# Altium PCB SmartHaloV1.PcbDoc (part 3 of 4) (continued)
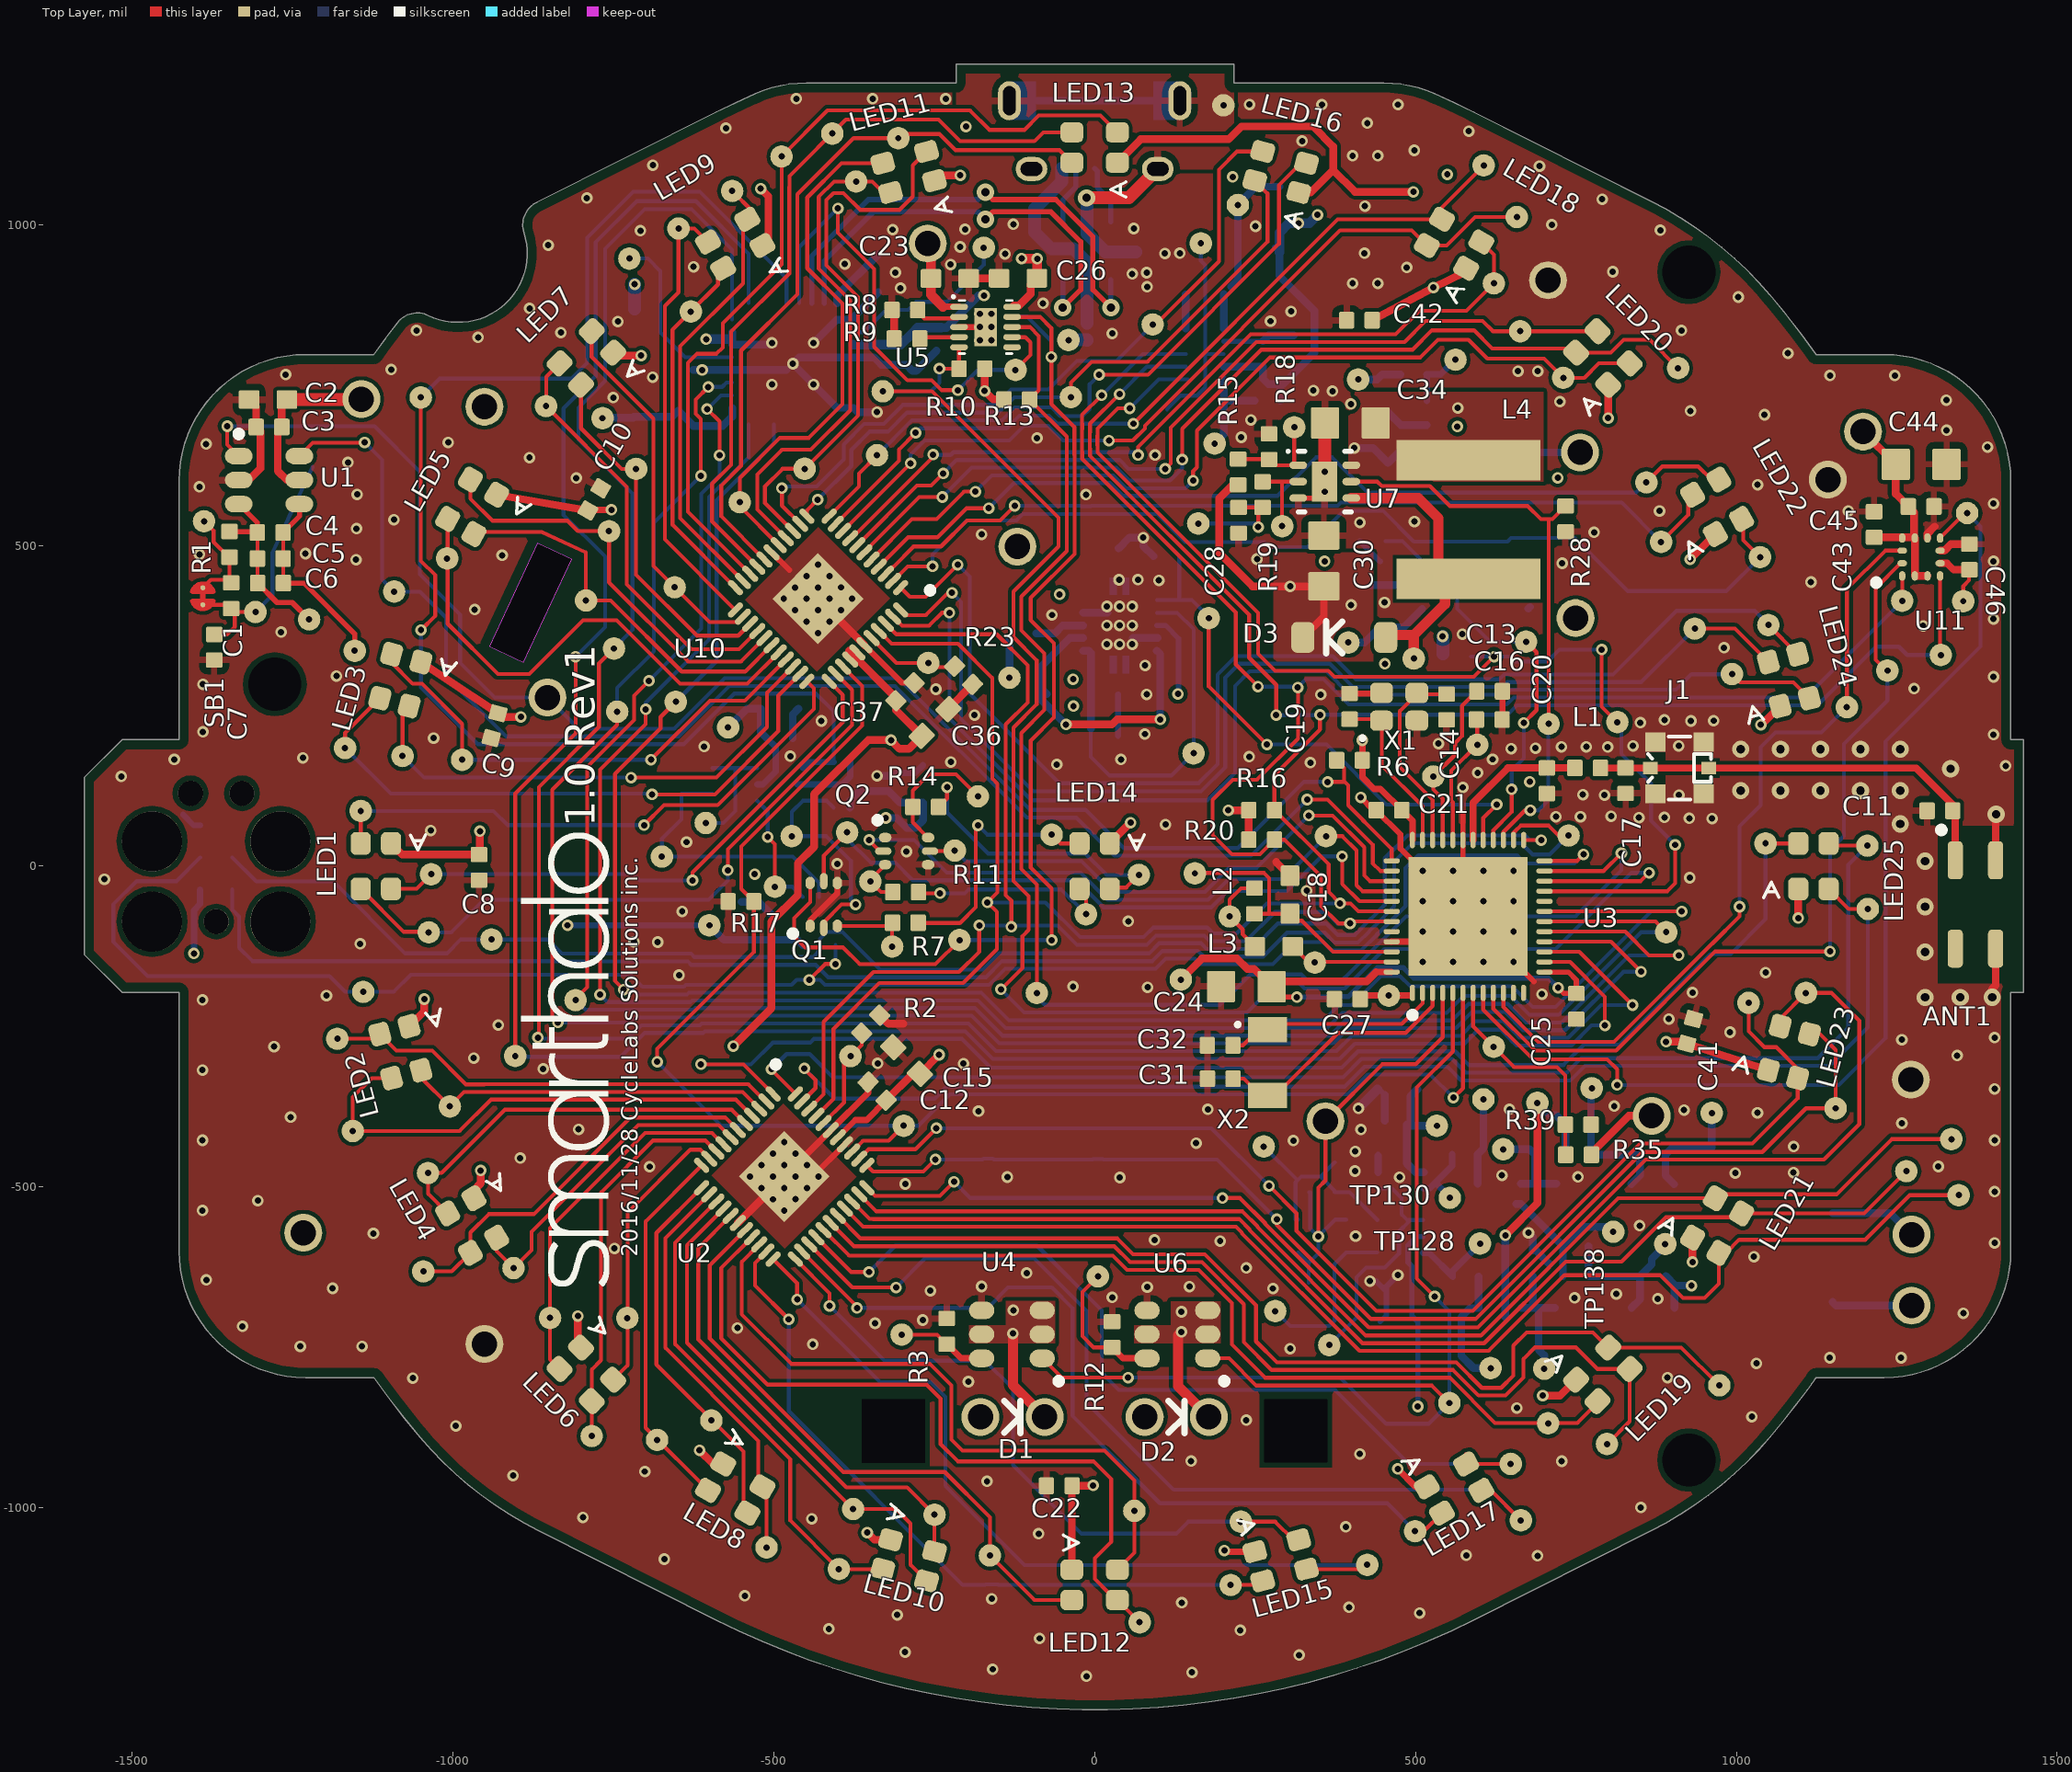
[diagram p0: Top Layer view]
## Nets (pads, with @x,y where several pads share a name; then routed paths per layer and width w, separated by ;. In a path a pad name is that pad's centre, name@x,y a point inside that pad or via, vN(x,y) a via of type N, cw(c..) or ccw(c..) an arc to the next point about the centre after c; other vN are vias at no path point) (continued)
  Bottom Layer w6: TP149.1@-330.1,740.1 -255.1,740.1 -241.9,753.3 v1(-241.9,775.3) ; v1(-145.9,-192.1) -109.8,-228.2 237.5,-228.2 284.8,-180.9 317.36,-180.9 326.96,-190.5 389.81,-190.5 401.43,-178.88 401.66,-178.88 451.44,-129.1 718.1,-129.1 836.8,-10.4 v1(863.9,-10.4)
PRETERM: R9.1 U5.4 | length 62
  Top Layer w6: R9.1@-272.4,822.1 -270.05,824.45 U5.4@-211.34,824.45
QTOUCH: R6.1 TP100.1 U1.1 U3.37 | length 2506.3
  Top Layer w6: v1(-1351.7,685.7) -1351.7,657.08 U1.1@-1333.78,639.15 ; v1(363.2,131.3) 388.9,131.3 ; R6.1@377.2,165.1 388.9,153.4 388.9,131.3 ; U3.37@462.81,8.21 462.81,26.99 429.73,60.07 429.67,60.07 424.55,65.2 417.8,71.95 417.8,72 395,94.8 395,126 389.3,131.7 388.9,131.3
  Bottom Layer w6: v1(-1351.7,685.7) -1122.2,685.7 -1051.5,615 -1051.5,454.7 -988.8,392 -988.8,316.9 -934.7,262.8 TP100.1@-852.7,262.8 -804.1,214.2 -655.1,214.2 -576.3,293 -306.14,293 -100.94,87.8 -14.3,87.8 45.3,28.2 223,28.2 326.5,131.7 326.9,131.3 v1(363.2,131.3)
R\E\S\E\T\: R32.1 R33.2 TP152.1 U16.18 | length 273.2
  Bottom Layer w6: U16.18@-375.91,832.31 -359.59,832.31 -324.92,866.98 -290.72,866.98 R33.2@-278.3,879.4 -230.6,879.4 -172.8,937.2 TP152.1@-172.8,963.8
RTS: TP142.1 U3.15 U16.8 | length 3658.7
  Top Layer w6: v1(-867.7,-267.1) -866.1,-265.5 -866.1,123.3 -772.5,216.9 -772.5,315.8 TP142.1@-749.1,339.2 ; U3.15@700.99,-133.52 755.32,-133.52 v1(838.3,-216.5)
  Bottom Layer w6: v1(-867.7,-267.1) -867.7,-268.6 -727.3,-268.6 -706.6,-247.9 -615.19,-247.9 -612.49,-245.2 -196.66,-245.2 -153.66,-288.2 376.96,-288.2 400.66,-264.5 563.21,-264.5 563.41,-264.3 570.5,-264.3 593.1,-241.7 636.65,-241.7 660.4,-265.45 660.4,-265.68 662.32,-267.6 738.04,-267.6 789.14,-216.5 v1(838.3,-216.5) ; TP142.1@-749.1,339.2 -720.3,368 -720.3,581 -804.6,665.3 -804.6,714.5 -762.9,756.2 -762.9,962 -701.2,1023.7 -627.9,1023.7 -564.89,960.69 U16.8@-564.89,852
RXD: TP144.1 U3.19 U16.30 | length 2984.1
  Top Layer w6: v1(-733.9,-192.2) -747.5,-178.6 -747.5,143.6 -676.4,214.7 -676.4,232.5 TP144.1@-652.8,256.1 ; U3.19@700.99,-70.53 v1(914.93,-70.53)
  Bottom Layer w6: v1(-733.9,-192.2) -717.7,-192.2 -710,-199.9 -635.07,-199.9 -632.37,-197.2 -176.78,-197.2 -133.78,-240.2 357.08,-240.2 380.78,-216.5 400.81,-216.5 445.91,-171.4 475.82,-171.4 491.72,-187.3 650.13,-187.3 682.43,-219.6 718.16,-219.6 867.23,-70.53 v1(914.93,-70.53) ; TP144.1@-652.8,256.1 -589.1,319.8 -589.1,570.2 -499.93,659.37 U16.30@-499.93,688.61
S2V8: C2.1 C3.1 C29.1 C33.1 C38.1 C40.1 C47.1 TP16.1 TP17.1 TP18.1 U1.5 U8.5 U9.5 U12.5 | length 4493.5
  Top Layer w12: C2.1@-1258.7,727.2 -1266.7,719.2 C3.1@-1266.7,684.5 -1272.94,678.26 -1272.94,615.84 -1258.85,601.75 U1.5@-1239.29,601.75
  Top Layer w20: C2.1@-1258.7,727.2 TP18.1@-1140.6,727.2
  Power Plane w20: TP18.1@-1142.7,727.9 -1197.5,673.1 -1197.5,439.54 -505.76,-252.2 486.03,-252.2 ; v1(503.6,-842.1) 503.6,-495.47 533.3,-465.77 TP17.1@533.3,-404.6 486.03,-357.33 486.03,-221.54 491.9,-215.68 491.9,-187.92 486.03,-182.06 486.03,198.63 555,267.6 691.1,267.6 749.4,325.9 TP16.1@749.4,386.6
  Bottom Layer w8: v1@503.8,-841.9 C40.1@503.8,-710 494.65,-700.85 C38.1@494.65,-662.75 494.65,-623.85 488.3,-617.5 488.3,-590.9 502.18,-577.02 U9.5@511.65,-577.02
  Bottom Layer w12: C33.1@486.5,-404.6 TP17.1@533.3,-404.6 ; C33.1@486.5,-402.32 486.5,-463.4 499.96,-476.87 U8.5@512.81,-476.87 ; C33.1@492.01,-396.81 492.01,-358.78 C29.1@502.8,-348 ; C47.1@675.8,401.5 C47.1@678.4,404.1
S\L\E\E\P\: TP146.1 U3.14 U16.9 | length 3686.1
  Top Layer w6: TP146.1@-902.9,-295.9 -902.9,112.9 -808.9,206.9 v1(-808.9,326.4) ; U3.14@700.99,-149.27 740.85,-149.27 795.2,-203.62 v1(795.2,-248.2)
  Bottom Layer w6: TP146.1@-902.9,-295.9 -901.6,-297.2 -738.3,-297.2 -701,-259.9 -610.22,-259.9 -607.52,-257.2 -201.63,-257.2 -158.63,-300.2 381.93,-300.2 405.63,-276.5 568.18,-276.5 568.38,-276.3 576.3,-276.3 597.7,-254.9 632.88,-254.9 648.4,-270.42 648.4,-270.65 657.35,-279.6 743.01,-279.6 774.41,-248.2 v1(795.2,-248.2) ; v1(-808.9,326.4) -763,372.3 -763,482.6 -827.8,547.4 -827.8,713.3 -777.6,763.5 -777.6,972.4 -713.5,1036.5 -621.3,1036.5 -539.3,954.5 U16.9@-539.3,877.59
SCL: R20.1 TP63.1 U2.42 U3.43 U10.42 U11.1 U14.3 | length 4341.4
  Top Layer w6: U2.42@-444.73,-377.91 -422.4,-355.59 -422.4,-242.6 -344.7,-164.9 -211.4,-164.9 -179.8,-133.3 v1(-179.8,-92.5) ; U10.42@-325.31,377.73 -308.99,361.4 -152.7,361.4 -104.4,313.1 -104.4,255 -138.5,220.9 -138.5,-45.1 -129.8,-53.8 v1(-129.8,-94.4) ; v1(11,733.9) -19.6,703.3 -19.6,689.47 -19.3,689.17 -19.3,681 -19.6,680.7 -19.6,645.9 -19.3,645.6 -19.3,634.7 220,395.4 220,314.4 v1(254.6,279.8) ; v1(316.4,278.6) 316.9,278.1 316.9,198.78 252.82,134.7 215.1,134.7 183.9,103.5 183.9,48.6 214.1,18.4 257.4,18.4 R20.1@280.2,41.2 295.7,41.2 352.8,-15.9 352.8,-62.3 379.7,-89.2 v1(398,-89.2) 400.93,-86.27 U3.43@462.81,-86.27 ; TP63.1@1258.46,413.56 U11.1@1258.46,452.37
  Bottom Layer w6: v1(-179.8,-92.5) -134.3,-92.5 v1@-129.4,-87.6 ; v1@-129.8,-88 v1(-129.8,-94.4) -128.1,-92.7 -57.48,-92.7 -27.58,-122.6 81.39,-122.6 95.79,-108.2 171.01,-108.2 179.71,-116.9 235.5,-116.9 281,-71.4 359.97,-71.4 377.77,-89.2 v1(398,-89.2) ; v1(11,733.9) 75.23,798.13 U14.3@142.04,798.13 ; v1(254.6,279.8) 317.6,279.8 329.3,291.5 356.3,291.5 395.8,252 642.03,252 652.93,262.9 1107.8,262.9 TP63.1@1258.46,413.56
SDA: R16.1 TP62.1 U2.41 U3.42 U10.41 U11.4 U14.2 | length 4106.5
  Top Layer w6: U2.41@-433.59,-389.05 -407,-362.46 -407,-253.6 -335.5,-182.1 -204.9,-182.1 -152.3,-129.5 -152.3,-71.3 v1(-167.1,-56.5) -151.6,-41 -151.6,128.5 -159.6,136.5 -159.6,293.2 -212.9,346.5 -316.36,346.5 U10.41@-336.45,366.59 ; v1(38.8,735.7) -7.3,689.6 -7.3,676.03 -7.6,675.73 -7.6,650.87 -7.3,650.57 -7.3,639.67 240.7,391.67 240.7,324.9 283,282.6 v1(283,235.4) ; v1(351.2,235.9) 351.2,213 280.2,142 R16.1@280.2,87.2 364.8,2.6 364.8,-40.3 v1(382.5,-58) 398.62,-58 411.15,-70.53 U3.42@462.81,-70.53 ; TP62.1@1317.51,345.6 U11.4@1317.51,452.37
  Bottom Layer w6: v1(-167.1,-56.5) -76.71,-56.5 -22.61,-110.6 76.42,-110.6 91.32,-95.7 175.48,-95.7 184.68,-104.9 221.38,-104.9 268.28,-58 v1(382.5,-58) ; v1(38.8,735.7) 81.55,778.44 U14.2@142.04,778.44 ; v1(283,235.4) 344.3,235.4 344.9,236 348.1,232.8 v1(351.2,235.9) 642.9,235.9 657.9,250.9 1126.4,250.9 1217.6,342.1 1253.2,342.1 1266.2,329.1 TP62.1@1318.7,329.1
SDB: R17.2 TP115.1 U2.36 U3.6 U10.36 | length 2373.4
  Top Layer w6: v1(-681.7,-304.8) -681.7,-284.5 -531.1,-133.9 R17.2@-531.1,-55 -550.5,-35.6 -550.5,30.76 -362.1,219.16 -362.1,280.89 U10.36@-392.13,310.91 ; U2.36@-377.91,-444.73 -361.09,-427.9 -321,-427.9 TP115.1@-297.6,-404.5 ; v1(559.2,-360.8) 574.03,-345.97 U3.6@574.03,-197.49
  Bottom Layer w6: v1(-681.7,-304.8) -582,-404.5 TP115.1@-297.6,-404.5 -274.52,-404.5 -225.72,-355.7 394.31,-355.7 425.51,-324.5 522.9,-324.5 v1(559.2,-360.8)
SNS_N: C4.2 C5.2 C6.2 TP102.1 U1.4 | length 295.1
  Top Layer w6: C6.2@-1264.47,450.04 C4.2@-1264.47,520.2
  Top Layer w8: C4.2@-1264.47,520.2 -1239.29,545.38 U1.4@-1239.29,564.35 ; C6.2@-1264.3,441.1 -1232.1,441.1 -1153.1,362.1 TP102.1@-1153.1,335.7
SNS_P: C4.1 C5.1 C6.1 R1.1 TP103.1 U1.3 | length 287.9
  Top Layer w6: C6.1@-1304.74,441.1 C5.1@-1304.74,479.39 ; C5.1@-1304.74,484.29 C5.1@-1304.74,479.39 ; C4.1@-1304.74,519.92 C5.1@-1304.74,479.39
  Top Layer w8: R1.1@-1348.2,521.5 -1306.32,521.5 C4.1@-1304.74,519.92 -1304.74,535.32 U1.3@-1333.78,564.35 ; C6.1@-1304.3,441.1 -1274.1,410.9 -1250.4,410.9 TP103.1@-1224.1,384.6
SWDCLK: J7.4 TP79.1 U3.25 | length 2354.8
  Top Layer w6: U3.25@668.51,40.69 v1(695.79,40.69)
  Bottom Layer w6: J7.4@-1343.9,13.6 -1306.4,-23.9 -1186.5,-23.9 -1074.4,-136 -1009.5,-136 -987.8,-114.3 TP79.1@-940,-114.3 -852.4,-114.3 -830.4,-136.3 -629.07,-136.3 -623.63,-141.74 -438.94,-141.74 -428.12,-130.92 -428.12,-113.42 -417.3,-102.6 -392.9,-102.6 -334.3,-161.2 -174.4,-161.2 -149.2,-136 84.96,-136 100.76,-120.2 166.04,-120.2 174.74,-128.9 246,-128.9 285.6,-89.3 360.9,-89.3 378.8,-107.2 405.46,-107.2 416,-96.66 416,-96.33 431.23,-81.1 431.56,-81.1 452.1,-60.56 452.1,12.5 487.7,48.1 671,48.1 678.41,40.69 v1(695.79,40.69)
SWDIO: J7.2 TP77.1 U3.26 | length 2461.5
  Top Layer w6: U3.26@652.77,40.69 652.77,52.1 655.37,54.7 655.58,54.7 655.58,54.91 663.86,63.19 707.45,63.19 722.84,47.8 TP77.1@738.5,47.8
  Bottom Layer w6: J7.2@-1343.9,-36.4 -1343.9,-67.7 -1333.1,-78.5 -1333.1,-127.3 -1312.4,-148 -835.67,-148 -835.37,-148.3 -634.04,-148.3 -628.6,-153.74 -434.69,-153.74 -415.23,-173.2 -169.43,-173.2 -144.23,-148 89.93,-148 105.73,-132.2 161.07,-132.2 169.77,-140.9 262.8,-140.9 300,-103.7 358.33,-103.7 373.83,-119.2 410.43,-119.2 428,-101.63 428,-101.3 436.2,-93.1 436.53,-93.1 466.9,-62.73 466.9,7.1 495.6,35.8 665,35.8 682.61,18.19 708.89,18.19 TP77.1@738.5,47.8
SYNC/MODE: TP101.1 U1.6 U3.38 | length 2307.8
  Top Layer w6: U1.6@-1239.29,639.15 -1218.64,659.8 -1136.4,659.8 -1137.1,660.5 v1(-1137.6,660.5) ; v1(331.3,103.8) 362.96,103.8 433.4,33.36 433.4,4.2 445.13,-7.53 U3.38@462.81,-7.53
  Bottom Layer w6: v1(-1137.6,660.5) -1110.4,633.3 -1110.4,446.7 TP101.1@-1091.6,427.9 -1051.3,427.9 -1010.6,387.2 -1010.6,295.9 -916.9,202.2 -648.3,202.2 -569.5,281 -311.11,281 -105.81,75.7 -76.63,75.7 -76.53,75.6 -28.7,75.6 30.7,16.2 243.7,16.2 v1(331.3,103.8)
TS: Q1.6 RT1.2 TP111.1 U5.9 | length 1735.9
  Top Layer w6: Q1.6@-443.28,-26.24 -443.28,-56.08 -468.3,-81.1 -468.3,-109.6 -451.3,-126.6 -392.4,-126.6 -366.1,-152.9 -248.3,-152.9 TP111.1@-210.6,-115.2 ; U5.9@-128.61,856 U5.9@-128.66,855.95 -84.83,855.95 -67.5,838.62 v1(-67.5,793.6) -67.5,720.4 -31.6,684.5 -31.6,640.93 -31.3,640.63 -31.3,586.66 -31.4,586.56 -31.4,571.64 -31.3,571.54 -31.3,486.4 -99.6,418.1 -99.6,383.5 -63.4,347.3 -63.4,231.8 -99.6,195.6 -99.6,-2.1 -66.8,-34.9 v1(-66.8,-115.2)
  Bottom Layer w6: TP111.1@-210.6,-115.2 v1(-66.8,-115.2) ; RT1.2@-124.5,857 -105.9,857 -67.5,818.6 v1(-67.5,793.6)
TXD: TP145.1 U3.17 U16.2 | length 3114.5
  Top Layer w6: TP145.1@-808.8,-208.8 -808.8,-206.58 -790.8,-188.58 -790.8,154.6 -717.6,227.8 -717.6,265.92 v1(-694.67,288.85) ; v1(-603.8,712.4) -584.6,693.2 v1(-584.6,640.4) ; U3.17@700.99,-102.02 826.92,-102.02 863.8,-138.9 v1(910.3,-138.9)
  Bottom Layer w6: TP145.1@-808.8,-208.8 -793.7,-223.9 -625.13,-223.9 -622.43,-221.2 -186.72,-221.2 -143.72,-264.2 367.02,-264.2 390.72,-240.5 553.27,-240.5 553.47,-240.3 557.2,-240.3 582.8,-214.7 643.59,-214.7 672.49,-243.6 728.1,-243.6 832.8,-138.9 v1(910.3,-138.9) ; v1(-694.67,288.85) -613.1,370.42 -613.1,580.14 -584.6,608.64 v1(-584.6,640.4) ; v1(-603.8,712.4) -582.31,733.89 U16.2@-564.89,733.89
U\S\B\R\E\S\E\T\: J7.3 TP78.1 U3.24 U20.4 | length 2867.3
  Top Layer w6: v1(-444.7,-177.3) -419.82,-152.42 v1(-403.88,-152.42) ; U3.24@700.99,8.21 751.81,8.21 v1(762,18.4)
  Bottom Layer w6: J7.3@-1393.9,13.6 -1430.9,-23.4 -1493.2,-23.4 -1529.3,-59.5 -1529.3,-117.8 -1475.6,-171.5 -1192.4,-171.5 -1168,-195.9 TP78.1@-1139.8,-195.9 -1092.2,-195.9 -1065.6,-169.3 -723.63,-169.3 -705.03,-187.9 -640.04,-187.9 -637.34,-185.2 -472.2,-185.2 -464.3,-177.3 v1(-444.7,-177.3) -428.1,-177.3 -420.2,-185.2 -164.46,-185.2 -139.26,-160 94.9,-160 110.7,-144.2 156.1,-144.2 164.8,-152.9 277.8,-152.9 312.2,-118.5 356.16,-118.5 368.86,-131.2 415.4,-131.2 440,-106.6 440,-106.27 441.17,-105.1 441.5,-105.1 484.4,-62.2 484.4,-3.1 504.4,16.9 658.4,16.9 671.1,4.2 747.8,4.2 v1(762,18.4) ; v1(-403.88,-152.42) U20.4@-403.88,-122.9
USB_D_N: U16.15 U17.6 | length 684
  Top Layer w8: v2(-170.4,1008.2) -158.7,1019.9 -68.3,1019.9 -21.7,973.3 -21.7,898.4 v2(-49.7,870.4)
  Bottom Layer w8: U16.15@-421.19,877.59 -421.19,943.41 -344.7,1019.9 -182.1,1019.9 v2(-170.4,1008.2) ; v2(-49.7,870.4) -49.5,870.6 U17.6@-49.5,913.82
USB_D_P: U16.14 U17.4 | length 747.2
  Top Layer w8: v2(-170.4,1050.6) -158.7,1038.9 -60.43,1038.9 -2.7,981.17 -2.7,898.4 v2(25.3,870.4)
  Bottom Layer w8: U16.14@-440.87,877.59 -440.87,950.6 -352.57,1038.9 -182.1,1038.9 v2(-170.4,1050.6) ; v2(25.3,870.4) 25.3,886.2 U17.4@25.3,913.82
USBD_IN_N: J5.2 U17.1 | length 93.1
  Bottom Layer w8: U17.1@-49.5,1004.38 -49.5,1038.03 -29.59,1057.94 -29.59,1083.6 J5.2@-25.59,1087.6
USBD_IN_P: J5.3 U17.3 | length 93.7
  Bottom Layer w8: J5.3@0,1087.6 4,1083.6 4,1057.93 25.3,1036.63 U17.3@25.3,1004.38
USBGND: J5.0 J5.5 NT6.1 TP176.1 U17.2 | length 479.4
  Top Layer w20: v2(-12.8,1041.5) 53.31,1041.5 J5.0@98.43,1086.61
  Bottom Layer w12: J5.0@-102.36,1192.91 J5.0@-39.37,1192.91 J5.0@39.37,1192.91 J5.0@102.36,1192.91
  Bottom Layer w20: v2@-12.1,1042.2 U17.2@-12.1,1004.38 -12.1,985.7 16.6,957 NT6.1@64.3,957
VAUX: C55.1 TP171.1 U15.1 U15.7 | length 623.3
  Bottom Layer w6: C55.1@-5.9,214.6 -5.9,170.6 23.4,141.3 119.6,141.3 TP171.1@154.2,175.9 154.2,369.4 128.71,394.89 U15.7@96.97,394.89
  Bottom Layer w12: U15.1@-18.17,335.83 -9.33,335.83 -5.9,332.4 C55.1@-5.9,214.6
VBAT: C26.1 C34.1 C48.1 C50.1 C51.1 C52.1 C54.1 J4.2 L4.1 L5.1 R4.2 R38.1 TP1.1 TP21.1 TP22.1 U5.10 U7.6 U12.1 U13.1 U14.9 U15.5 U15.8 | length 1282
  Top Layer w10: U5.10@-128.66,871.7 U5.10@-126.36,874
  Top Layer w12: U5.10@-126.36,874 -117.5,874 -99.6,891.9 -99.6,906.5 C26.1@-89.9,916.2
  Top Layer w15: v1@-113.5,946.6 v1(-89.5,946.6) ; C26.1@-89.9,916.2 v1@-89.9,946.2
  Power Plane w8: v1(129.7,268.4) 129.7,341.9
  Power Plane w12: 442.3,714 v1(565.8,714)
  Bottom Layer w8: U15.8@96.97,375.2 110.45,375.2 130.8,354.84 130.8,269.5 v1(129.7,268.4) ; J4.2@279.9,964.59 J4.2@287.8,956.69
  Bottom Layer w12: U14.9@201.16,778.5 C51.1@262.4,778.5 262.4,759.5 270.5,751.4 293.8,751.4 C50.1@310.4,768 342.5,800.1 342.5,865.5 287.8,920.2 J4.2@287.8,956.69 ; R38.1@289.7,725.5 289.7,747.3 ; TP1.1@395.3,348.6 420.9,348.6 C48.1@444.8,372.5 482.14,372.5 U12.1@510.56,400.92 ; v1(404.7,651.7) 433.82,651.7 C52.1@457.18,628.34 479.06,650.22 U13.1@517.65,650.22 ; TP22.1@410.6,758.5 440.3,758.5 448.3,766.5 R4.2@476.9,766.5
  Bottom Layer w15: J4.2@287.8,956.69 287.8,987.2 302.5,1001.9 v1(317.7,1001.9) 334.4,1001.9 v1(347.5,1015)
  other v1: -54.5,423.5 -113.8,946.9
VBUS: J5.1 NT1.1 U17.5 | length 312.8
  Bottom Layer w20: J5.1@-51.18,1087.6 -51.18,1067.12 -93.6,1024.7 -93.6,988.2 -67.4,962 -33,962 -12.1,941.1 U17.5@-12.1,913.82 NT1.1@-12.1,846.3
VBZ: C30.1 C71.1 D3.1 Q3.4 Q4.4 R5.2 R15.2 R21.2 R35.2 TP3.1 TP4.1 | length 2283.6
  Top Layer w12: R15.2@223.6,594.3 215.11,594.3 194.3,573.49 194.3,487.9 246,436.2 v1(304.8,436.2) C30.1@357.2,436.2 357.2,389.3 D3.1@324.5,356.6 ; R35.2@774.1,-449.8 774.1,-447.1 832.2,-389 TP3.1@855.72,-389
  Power Plane w18: v1(399.8,407.1) 399.8,435.5
  Power Plane w20: v1(304.8,436.2) 645.4,436.2 709.2,500 744.4,500 990.4,254 990.4,211.3 969.2,190.1 969.2,111.8 989.7,91.3 989.7,33.2 961.8,5.3 TP4.1@961.8,-384.7
  Bottom Layer w12: R5.2@890,-639.3 890,-638.81 904.89,-653.7 v1(930.1,-653.7) ; Q4.4@903.06,-495.72 889.6,-482.25 R21.2@889.6,-449.7 901.2,-438.1 C71.1@961.8,-438.1 TP4.1@961.8,-384.7 ; Q3.4@903.46,-688.41 903.46,-652.76
VBZ_EN: R28.1 TP161.1 U3.27 U7.5 | length 908.4
  Top Layer w6: U7.5@399.94,599.3 440.4,599.3 447.38,592.32 522.38,592.32 553.4,561.3 674.8,561.3 695.2,540.9 713.5,540.9 R28.1@733.8,561.2 ; U3.27@637.02,40.69 637.02,53.32 670.7,87 v1(678.9,87) ; TP161.1@707.4,221.9 707.4,540.9
  Bottom Layer w6: v1(678.9,87) 691.8,87 707.1,102.3 707.1,221.9 TP161.1@707.4,221.9
VBZ_SENSE: R35.1 R39.2 TP178.1 U3.7 | length 350.4
  Top Layer w6: U3.7@589.77,-197.49 589.77,-249.27 653.6,-313.1 720.4,-313.1 733.5,-326.2 R39.2@733.5,-402.9 R35.1@733.5,-449.2
VCCD: C57.1 U16.16 | length 102.4
  Bottom Layer w12: U16.16@-401.5,877.59 -401.5,888.9 C57.1@-337.1,953.3
VDD_NRF: C21.1 C24.1 C25.1 C43.1 C44.1 C45.1 C49.1 C59.1 C60.1 C65.1 C66.1 C67.1 C68.1 C69.1 C70.1 J7.1 R6.2 R10.2 R13.1 R16.2 R20.2 R30.2 TP10.1 TP11.1 TP12.1 TP13.1 TP14.1 TP15.1 U3.13 U3.36 U3.48 U11.2 U11.3 U11.9 U11.10 U13.5 U16.1 U18.5 U19.5 U20.5 | length 8595.3
  Top Layer w8: C24.1@290.3,-202.2 288.5,-204 v1(315,-204) ; U3.13@700.99,-165.01 738.21,-165.01 750.6,-177.4 C25.1@750.6,-198.4 731.1,-198.4 v1(722.3,-189.6)
  Top Layer w10: v1(417.2,196.2) R6.2@417.2,165.1 417.2,138.5 435.2,120.5 445.5,120.5 C21.1@478.8,87.2 495.29,70.71 U3.36@495.29,40.69 ; 438.69,-165.01 U3.48@462.81,-165.01
  Top Layer w12: R10.2@-171.4,775.3 v1(-171.4,740.7) -158.1,727.4 R13.1@-141.4,727.4 ; TP12.1@134.3,-176.9 167.2,-144 221.7,-144 237.9,-160.2 248.3,-160.2 C24.1@275.9,-187.8 283.9,-179.8 423.9,-179.8 438.69,-165.01 ; v1(208.4,87.2) R16.2@240.2,87.2 R20.2@240.2,41.2 ; TP10.1@1197.42,677.3 C44.1@1248.48,626.23 1248.48,580.02 C45.1@1267.98,560.52 1277.07,551.44 1277.07,512.5 C43.1@1214.6,512.5 ; U11.9@1278.14,511.43 U11.2@1278.14,452.37 U11.3@1297.83,452.37
  Power Plane w10: v1(-1403.7,-136.1) -1308,-231.8 -961,-231.8 v1(-821.4,-92.2)
  Power Plane w20: TP15.1@-759.5,699.1 -652.8,699.1 -635.6,681.9 -329.34,681.9 -314,697.24 -314,699 -300.4,712.6 -260.2,712.6 -234.1,686.5 -221.5,686.5 v1@-167.3,740.7 ; TP14.1@-571.2,216 -571.2,35.8 -600.5,6.5 TP13.1@-600.5,-92.2 -423.9,-92.2 -334.1,-182 -200.8,-182 -169,-150.2 107.6,-150.2 TP12.1@134.3,-176.9 205.7,-176.9 262,-120.6 262,-8.4 208.4,45.2 v1(208.4,87.2) 317.4,196.2 v1(417.2,196.2) 433.2,196.2 542.4,305.4 v1(542.4,358.2) 518.5,382.1 280.3,382.1 206.9,455.5 206.9,519.2 258,570.3 313.5,570.3 376.9,506.9 623.4,506.9 756.5,640 TP11.1@756.5,644.9 1056.8,644.9 1089.2,677.3 TP10.1@1197.42,677.3 ; TP14.1@-571.2,216.3 -571.2,457.8 -513.3,515.7 -513.3,681.9 ; v1(-325.4,75.1) -293.6,75.1 -266,47.5 -266,-182.3
  Bottom Layer w8: v1(315,-204) 374.89,-204 375.39,-203.5 395.42,-203.5 440.52,-158.4 481.2,-158.4 497.1,-174.3 707,-174.3 v1(722.3,-189.6)
  Bottom Layer w10: v1(-1403.7,-136.1) -1403.7,-68.8 -1393.9,-59 J7.1@-1393.9,-36.4 ; v1(-821.4,-92.2) TP13.1@-600.5,-92.2 ; U19.5@-525.9,127.4 -517.3,127.4 -497.1,147.6 -497.1,185.8 C67.1@-510.4,199.1
  Bottom Layer w12: TP15.1@-759.5,699.1 -719,699.1 C60.1@-717.9,700.2 -658.8,700.2 C59.1@-649.1,709.9 -625.4,686.2 -579.3,686.2 -564.89,700.61 U16.1@-564.89,714.2 ; TP13.1@-600.5,-92.2 -577.9,-114.8 C70.1@-550.17,-114.8 -463.16,-114.8 U20.5@-455.06,-122.9 ; TP14.1@-571.05,216.15 -541.7,245.5 C68.1@-520.5,245.5 -520.5,209.2 C67.1@-510.4,199.1 ; U18.5@-381.13,91.2 -381.13,102.27 -366.3,117.1 -321.53,117.1 C65.1@-309.53,105.1 -309.04,105.1 -303.11,99.17 C66.1@-267.7,99.17 ; v1(-325.4,75.1) -308.6,75.1 -293.3,59.8 -279.3,59.8 -267.33,71.77 C66.1@-267.33,98.8 ; U13.5@612.14,650.22 673.08,650.22 C49.1@675.8,647.5 678.4,644.9 TP11.1@756.5,644.9
  Bottom Layer w20: R30.2@542.7,330.7 v1@542.7,357.9
  other v1: 721.8,605.3
VLED: C8.1 C9.1 C10.1 C12.1 C15.1 C22.1 C36.1 C37.1 C41.1 C42.1 C53.1 D1.1 D2.1 LED1.1 LED2.1 LED3.1 LED4.1 LED5.1 LED6.1 LED7.1 LED8.1 LED9.1 LED10.1 LED11.1 LED12.1 LED13.1 LED14.1 LED15.1 LED16.1 LED17.1 LED18.1 LED19.1 LED20.1 LED21.1 LED22.1 LED23.1 LED24.1 LED25.1 TP7.1 TP8.1 U2.38 U10.37 U10.38 U15.2 U15.10 | length 4538.4
  Top Layer w8: C37.1@-309.74,243.44 C37.1@-309.74,257.57 C37.1@-309.74,262.54
  Top Layer w9: U2.38@-400.01,-422.63 -372.77,-395.4
  Top Layer w10: C10.1@-789.6,554.28 -788.48,555.4 v1(-753.1,555.4) ; -372.77,-395.4 -355.38,-395.4 C12.1@-324.81,-364.83 ; v1@203.98,-1068.28 LED15.1@249.54,-1068.28 ; v1(472.4,-939.5) 500.2,-967.3 LED17.1@517.54,-967.3
  Top Layer w12: LED1.1@-1096.46,35.43 -1079.1,18.07 C8.1@-959.29,18.07 -957.9,19.46 v1(-957.9,54.4) ; LED2.1@-1068.28,-249.58 -1044.6,-225.9 v1(-1044.6,-207.2) ; LED3.1@-1049.94,317.99 C9.1@-929.93,238.19 -924.34,232.6 v1(-894.1,232.6) ; LED4.1@-967.3,-517.54 -967.3,-504.8 -956.7,-494.2 v1(-956.7,-474.4) ; LED5.1@-931.87,578.91 C10.1@-789.6,554.28 ; v1(-805.3,-701) -805.3,-749.8 -804.85,-750.25 LED6.1@-800.4,-750.25 ; LED7.1@-750.29,800.36 -745.83,795.9 v1(-706.6,795.9) ; v1(-615.8,-910.5) -594.43,-931.87 LED8.1@-578.91,-931.87 ; v1(-563,-280.6) -503.8,-221.4 -503.8,-86.3 -462.66,-45.16 -462.66,4.64 -437.1,30.2 -437.1,112.2 -352.95,196.35 v1(-317.43,196.35) -304,182.91 -289.55,182.91 C36.1@-269.38,203.08 C37.1@-309.74,243.44 ; v1(-520.4,1056) -508.47,1044.07 -508.47,973.04 LED9.1@-517.94,963.57 ; -383,335.8 C37.1@-309.74,262.54 ; v1(-354.4,-1038.7) -343.16,-1049.94 LED10.1@-318.03,-1049.94 ; C12.1@-328.21,-361.43 C12.1@-327.51,-360.73 ; C12.1@-324.81,-364.83 -283.79,-323.8 C15.1@-272.22,-323.8 v1(-242.3,-293.88) ; LED11.1@-249.58,1068.24 -241.03,1076.8 v1(-209.4,1076.8) ; v1(-44.7,220.7) 26.9,220.7 34.87,228.67 v1(102.15,228.67) ; LED12.1@-35.43,-1096.46 C22.1@-35.43,-973.86 ; C22.1@-35.1,-965.7 v1@-2.7,-965.7 ; LED14.1@23.62,35.43 v1(55.89,67.7) ; LED13.1@35.43,1096.46 71.88,1132.9 208.8,1132.9 228.7,1152.8 340.5,1152.8 371.7,1121.6 371.7,1085.1 ; LED16.1@317.99,1049.9 336.5,1049.9 371.7,1085.1 ; C42.1@432.5,850.9 v1(528,902) 576.68,925.45 LED18.1@578.91,931.83 ; v1(496.8,1051) 405.8,1051 371.7,1085.1 ; v1(698.3,-825.2) 725.41,-825.2 LED19.1@750.25,-800.36 ; v1(800.36,698.36) LED20.1@800.36,750.25 ; v1(890.4,-273.5) 917.57,-273.5 919.15,-275.08 LED23.1@1049.9,-318.03 ; v1(928,478.28) LED22.1@967.26,517.54 ; LED21.1@929.44,-581.3 931.6,-583.46 v1(931.6,-616.9) ; v1(1038.1,220.4) 1039.1,220.4 LED24.1@1068.24,249.54 ; v1(1096.46,-80.74) LED25.1@1096.46,-35.43
  Power Plane w12: v1@-519,1054.6 -496.98,1076.62 -475.58,1076.62 -475.4,1076.8 -415.6,1076.8 -385.6,1106.8 -348.2,1106.8 -318.2,1076.8 v1(-209.4,1076.8) ; v1(931.6,-616.9) 953,-616.9 967,-630.9 967,-746.5
  Bottom Layer w12: C53.1@-84.1,270.8 C53.1@-84.1,279.6 ; C53.1@-81.5,268.1 -81.5,257.5 v1(-44.7,220.7) ; C53.1@-74.5,268.1 -81.5,275.1 -81.5,313.1 -39.08,355.52 U15.2@-18.17,355.52 ; U15.10@96.97,335.83 102.15,330.65 v1(102.15,228.67)
  other v1: 202.3,-1066.6 -2.2,-965.2 -33,249.5 -33.5,291.3 549.6,1078.3
VUSB: C23.1 C56.1 C58.1 NT1.2 R32.2 R36.2 TP19.1 TP20.1 U5.1 U16.19 | length 730.7
  Top Layer w10: -236.32,871.7 U5.1@-211.34,871.7
  Top Layer w15: TP19.1@-260.2,970.4 -255.2,965.4 C23.1@-255.2,915.9 -255.2,890.58 -236.32,871.7
  Power Plane w20: v1(-716.7,906.8) -422.6,906.8
  Bottom Layer w13: R32.2@-239.3,839.4 -230.9,839.4 -180.87,889.43 v1(-172.4,889.43)
  Bottom Layer w15: U16.19@-375.91,812.63 -302.37,812.63 C56.1@-284,831 -275.6,839.4 R32.2@-239.3,839.4
  Bottom Layer w20: R36.2@-716.7,868.3 v1(-716.7,906.8) ; TP20.1@-42.3,820.3 NT1.2@-13.4,820.3 ; NT1.2@-12.1,820.1 NT1.2@-11.9,819.9
W\A\K\E\U\P\: TP143.1 U3.16 U16.3 | length 3091.1
  Top Layer w6: v1(-836.3,-243.7) -845.2,-234.8 -845.2,119.2 -744.1,220.3 TP143.1@-744.1,240.7 ; v1(-613.7,608.3) -613.7,696.84 -621.8,704.94 -621.8,727.1 v1(-602,746.9) ; U3.16@700.99,-117.77 804.77,-117.77 v1(851.5,-164.5)
  Bottom Layer w6: v1(-836.3,-243.7) -722.8,-243.7 -715,-235.9 -620.16,-235.9 -617.46,-233.2 -191.69,-233.2 -148.69,-276.2 371.99,-276.2 395.69,-252.5 558.24,-252.5 558.44,-252.3 563.2,-252.3 588.1,-227.4 639.32,-227.4 667.52,-255.6 733.07,-255.6 824.17,-164.5 v1(851.5,-164.5) ; TP143.1@-744.1,240.7 -744.1,277.7 -687,334.8 -687,535 v1(-613.7,608.3) ; v1(-602,746.9) -580.42,746.9 -573.75,753.57 U16.3@-564.89,753.57
XC_N: C14.1 U3.34 X1.3 | length 306.3
  Top Layer w6: U3.34@526.78,40.69 526.78,103.02 475.34,154.46 475.34,241.61 501.83,268.1 C14.1@548.4,268.1
XC_P: C19.1 U3.35 X1.1 | length 266.7
  Top Layer w6: C19.1@397.1,229.1 X1.1@444.59,229.1 ; X1.1@446.94,226.75 X1.1@444.59,229.1 ; U3.35@511.03,40.69 511.03,93.47 447.4,157.1 447.4,226.29 X1.1@444.59,229.1
XL_N: C31.2 U3.3 X2.2 | length 399.5
  Top Layer w6: C31.2@215.8,-331.3 232.6,-331.3 258.43,-357.13 X2.2@269.23,-357.13 282.17,-357.13 379.5,-259.8 484.5,-259.8 526.78,-217.52 U3.3@526.78,-197.49
XL_P: C32.2 U3.2 X2.1 | length 338.6
  Top Layer w6: C32.2@215.6,-279.2 231.2,-279.2 255.63,-254.77 X2.1@269.24,-254.77 278.21,-245.8 478.7,-245.8 511.03,-213.47 U3.2@511.03,-197.49
pads on no net: ANT1.2 D4.2 J5.4 J7.0 J7.6 U3.20 U3.44 U5.6 U8.4 U12.4 U13.4 U14.4 U16.10 U16.11 U16.21 U16.22 U16.23 U16.25 U16.26 U16.27 U16.28 U16.29 U16.31 U18.3 U18.4